# Allegro board WeChat_ZM_PART_20200601.brd (continued)
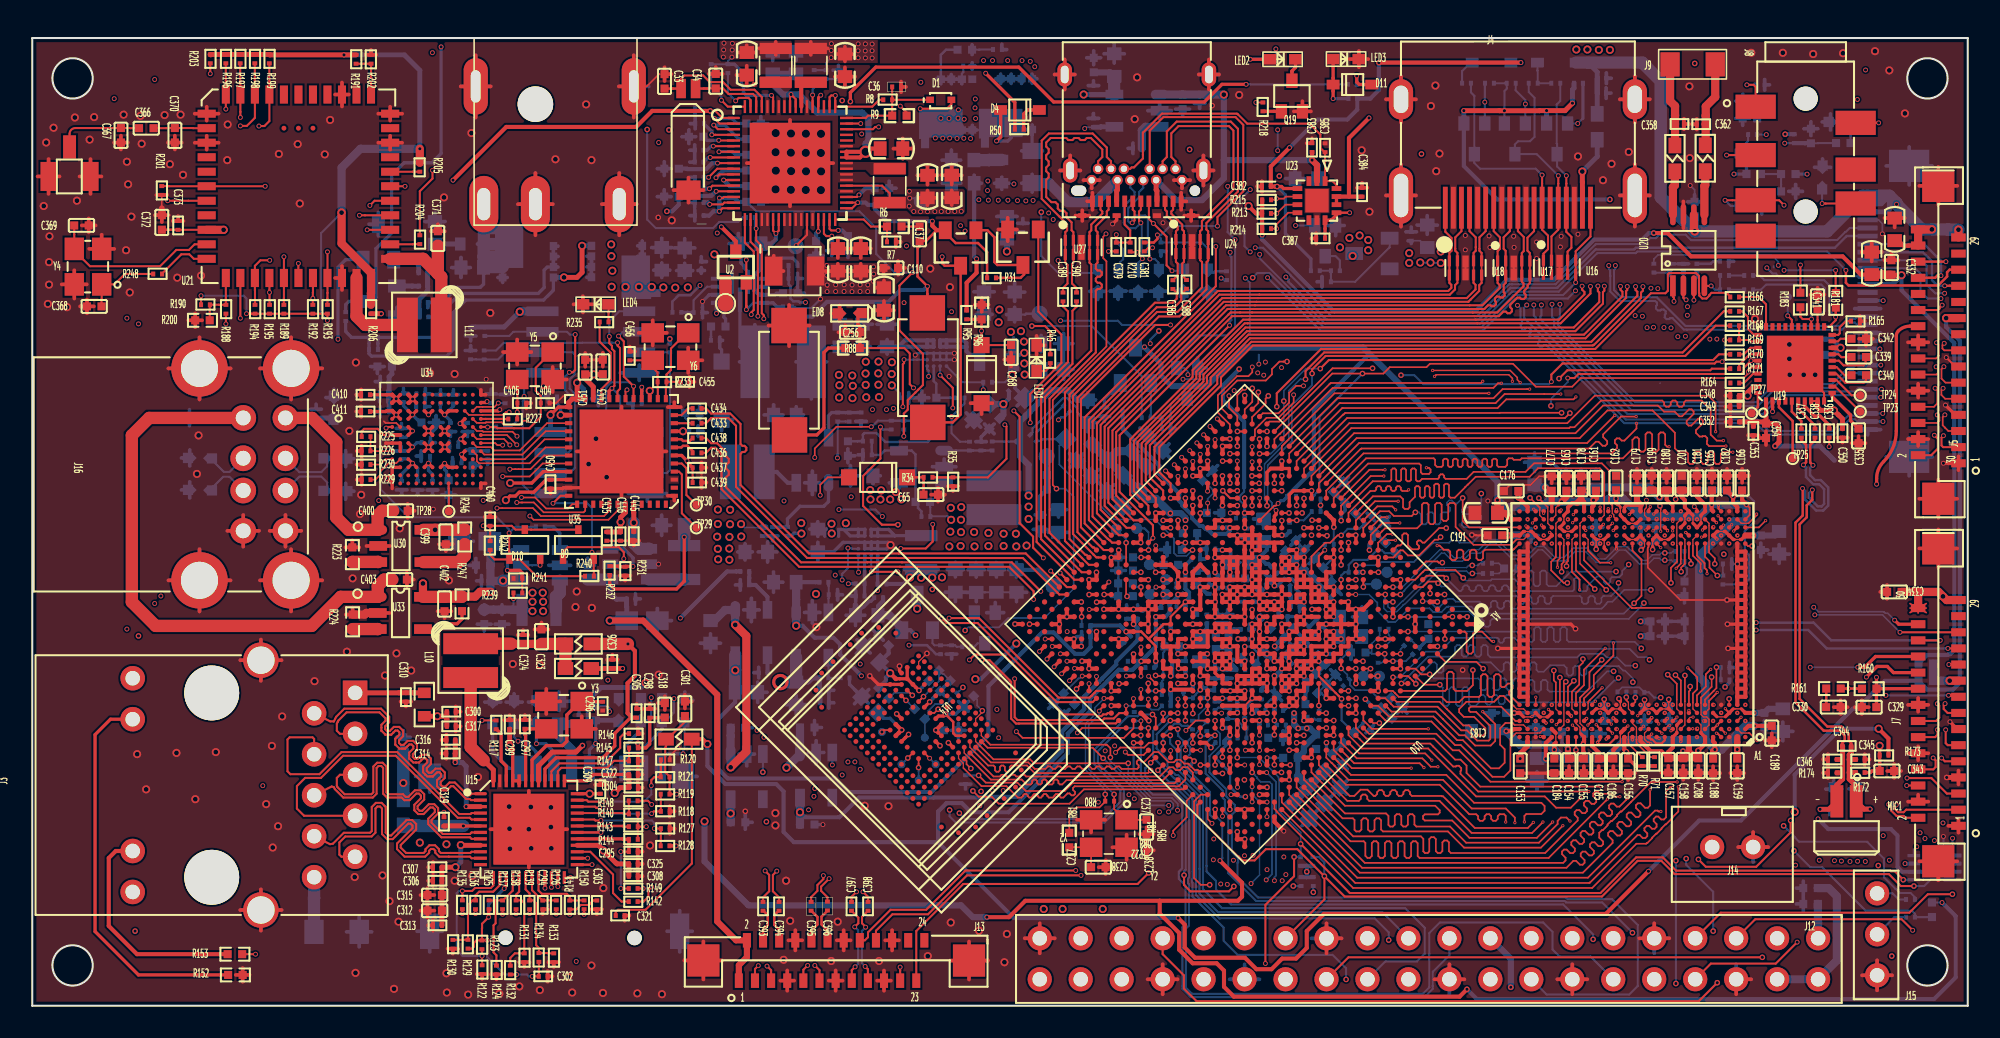
[diagram p0: board, top side]
## Routing (per net, layer and track width the routed paths; a pad name or vN(x,y) marks a point on that pad's centre or on a via; arc(x,y) is an arc through that point) (continued)
EDP_CABC_EN2: length 102.7
  TOP w0.102: U10.P24 v2(72.41,18.6)
  SIG1 w0.102: v2(72.41,18.6) 72.41,17.47 71.56,16.62 70.92,16.62 70.23,15.92 70.23,13.63 69.42,12.81 69.42,11.71 69.72,11.4 69.72,7.65 70.59,6.79 70.62,6.79 70.63,6.77 71.83,6.77 72.53,6.08 79.85,6.08 80.36,6.58 109.43,6.58 109.48,6.63 109.91,6.63 109.92,6.65 110.11,6.65 110.15,6.69 110.44,6.69 v1(112.7,8.95)
  SIG1 w0.127: v1(117.04,10.72) 117.04,10.92 117.12,11 117.12,42.63 v1(118.34,43.85)
  SIG2 w0.102: v1(117.04,10.72) 116.15,10.72 115.99,10.56 115.97,10.56 115.15,9.73 113.49,9.73 v1(112.7,8.95)
  BOTTOM w0.127: v1(118.34,43.85) 117.53,43.85 117.07,44.3 117.07,45.4 116.74,45.72 J6.21
EFUSE_VQPS_EN_H: length 54.1
  TOP w0.102: v1(74.2,37.82) 74.2,37.08 74.71,36.57 U10.AK3
  SIG1 w0.102: v1(52.1,36.96) 51.94,36.81 49.45,36.81 49.18,36.53 49.18,26.7 49.6,26.27 49.6,15.13 49.61,15.13 v1(49.61,14.93)
  SIG2 w0.102: v1(52.1,36.96) 52.51,36.96 55.11,39.56 58.54,39.56 58.65,39.45 59.12,38.98 59.18,38.93 59.75,38.36 61.48,38.36 64.64,41.52 70.5,41.52 v1(74.2,37.82)
  BOTTOM w0.127: v1(49.61,14.93) 49.61,15.7 U12.3
EMMC_CLK: length 6
  TOP w0.102: U34.D1 30.53,33.89 31.77,35.12 U35.29
EMMC_CLKO: length 3.4
  BOTTOM w0.102: R83.2 56.67,18.7 56.27,18.7 56.26,18.71 55.98,18.71 55.55,18.28 55.55,17.98 R115.1 55.34,16.92 55.34,16.92 TP21.1
EMMC_CMD: length 23.5
  TOP w0.102: U10.J31 71.36,13.42 65.2,13.42 64.31,12.53 59.92,12.53 59.49,12.96 58.68,12.96 v2(58.32,13.32) ; U14.W5 54.41,19.41 54.41,19.41 v2(54.57,19.25)
  SIG1 w0.102: v2(58.32,13.32) 58.32,13.57 54.57,17.32 v2(54.57,19.25)
  BOTTOM w0.102: R114.2 53.45,19.41 54.41,19.41 v2(54.57,19.25)
EMMC_CMD_SPR: length 6.9
  TOP w0.102: U35.30 31.82,34.62 30.83,33.63 27.7,33.63 27.57,33.76 27.57,34.14 U34.E2
EMMC_D0: length 17
  TOP w0.102: U10.J28 v2(72.43,14.93) ; v2(66.4,15.35) 65.75,16 59.23,16 58.99,16.24 58.98,16.24 U14.H3
  SIG1 w0.102: v2(72.43,14.93) 72.43,14.7 70.46,12.73 v1(70.46,12.42)
  BOTTOM w0.102: v2(66.4,15.35) 69.32,12.42 v1(70.46,12.42)
EMMC_D1: length 17.1
  TOP w0.102: U14.H4 58.63,15.89 59.44,15.08 61.76,15.08 62.15,14.69 62.81,14.69 62.97,14.84 63.12,14.84 63.27,14.69 63.42,14.69 63.58,14.84 63.73,14.84 63.88,14.69 64.03,14.69 64.19,14.84 64.34,14.84 64.49,14.69 64.64,14.69 64.8,14.84 64.95,14.84 65.1,14.69 65.25,14.69 65.4,14.84 65.56,14.84 65.71,14.69 65.86,14.69 66.01,14.84 66.17,14.84 66.32,14.69 66.47,14.69 66.62,14.84 66.78,14.84 66.93,14.69 67.08,14.69 67.23,14.84 67.39,14.84 67.54,14.69 68.5,14.69 68.59,14.78 68.59,14.9 68.48,15.02 68.48,15.14 68.57,15.23 68.69,15.23 68.81,15.12 68.94,15.12 69.55,15.73 69.82,15.73 70.46,15.1 70.78,15.1 70.94,15.25 71.18,15.25 71.41,15.02 71.65,15.02 71.69,14.98 71.7,14.98 72.07,14.62 72.26,14.62 U10.J29
EMMC_D2: length 15.7
  TOP w0.102: U14.H5 58.29,15.53 59.6,14.21 59.99,14.21 60.09,14.32 60.3,14.32 60.4,14.21 60.6,14.21 60.7,14.32 60.91,14.32 61.01,14.21 61.21,14.21 61.31,14.32 61.51,14.32 61.62,14.21 69.91,14.21 70.48,14.78 70.73,14.78 70.91,14.61 71.17,14.61 71.35,14.79 71.63,14.79 71.96,14.46 U10.J30
EMMC_D3: length 21.3
  TOP w0.076: U14.J2 58.84,16.75 59.15,16.44
  TOP w0.102: v2(66.84,15.39) 66.84,15.97 66.62,16.19 66.56,16.19 66.55,16.19 59.4,16.19 59.15,16.44 ; U10.J25 v2(74.25,15.84)
  SIG1 w0.102: v2(74.25,15.84) 73.7,15.84 72.92,15.07 72.92,14.49 v1(70.45,12.02)
  BOTTOM w0.102: v1(70.45,12.02) 70.59,12.16 70.74,12.3 70.74,12.53 70.57,12.7 69.32,12.7 66.84,15.17 v2(66.84,15.39)
EMMC_D4: length 20.2
  TOP w0.076: 58.77,16.11 58.49,16.38 U14.J3
  TOP w0.102: U10.J26 73.79,15.84 v2(73.79,15.41) ; v2(67.95,15.03) 62.11,15.03 61.87,15.28 59.6,15.28 59.31,15.56 58.77,16.11
  SIG1 w0.102: v2(73.79,15.41) 73.79,14.89 71.16,12.26 71.15,12.26 v1(71,12.12)
  BOTTOM w0.102: v2(67.95,15.03) 67.95,14.33 69.4,12.89 70.65,12.89 70.66,12.88 70.66,12.88 71.03,12.52 71.03,12.34 71,12.32 v1(71,12.12)
EMMC_D5: length 19.2
  TOP w0.076: U14.J4 58.14,16.02 58.44,15.72
  TOP w0.102: 58.44,15.72 59.26,14.89 59.6,14.89 59.69,14.81 59.69,14.6 59.78,14.51 59.91,14.51 59.99,14.6 59.99,14.81 60.08,14.89 60.21,14.89 60.3,14.81 60.3,14.6 60.39,14.51 60.52,14.51 60.6,14.6 60.6,14.81 60.69,14.89 61.68,14.89 62.15,14.43 69.18,14.43 v2(69.34,14.58) ; v2(73.33,14.93) 73.33,15.17 73.33,15.17 U10.J27
  SIG2 w0.102: v2(69.34,14.58) 69.67,14.25 70.09,14.25 70.18,14.17 70.18,14.09 70.27,14 70.4,14 70.49,14.09 70.49,14.17 70.58,14.25 70.7,14.25 70.79,14.17 70.79,14.09 70.88,14 71.01,14 71.1,14.09 71.1,14.17 71.19,14.25 71.31,14.25 71.4,14.17 71.4,14.09 71.49,14 71.62,14 71.71,14.09 71.71,14.17 71.8,14.25 72.66,14.25 v2(73.33,14.93)
EMMC_D6: length 15.5
  TOP w0.076: U14.J5 57.78,15.67 58.08,15.37
  TOP w0.102: 58.08,15.37 59.43,14.02 61.34,14.02 61.65,13.72 61.91,13.72 61.99,13.81 61.99,13.93 62.08,14.02 62.21,14.02 62.3,13.93 62.3,13.81 62.39,13.72 62.51,13.72 62.6,13.81 62.6,13.93 62.69,14.02 62.82,14.02 62.91,13.93 62.91,13.81 63,13.72 63.23,13.72 63.32,13.81 63.32,13.93 63.4,14.02 63.53,14.02 63.62,13.93 63.62,13.81 63.71,13.72 63.86,13.72 64.12,13.99 70.1,13.99 U10.L31
EMMC_D7: length 17.9
  TOP w0.076: 57.73,14.74 57.73,15.03 57.43,15.33 57.43,15.68
  TOP w0.102: U10.K30 71.5,14.02 71.34,13.86 71.34,13.86 71.08,13.61 64.63,13.61 64.53,13.51 64.53,13.38 64.65,13.26 64.65,13.13 64.56,13.04 64.43,13.04 64.31,13.16 64.19,13.16 63.93,12.91 63.77,12.91 63.68,13 63.68,13.04 63.59,13.12 63.47,13.12 63.38,13.04 63.38,13 63.29,12.91 63.03,12.91 62.94,13 62.94,13.04 62.85,13.12 62.73,13.12 62.64,13.04 62.64,13 62.55,12.91 62.42,12.91 62.33,13 62.33,13.04 62.24,13.12 62.12,13.12 62.03,13.04 62.03,13 61.94,12.91 61.81,12.91 61.72,13 61.72,13.04 61.63,13.12 61.51,13.12 61.42,13.04 61.42,13 61.33,12.91 61.11,12.91 60.4,13.62 58.85,13.62 57.73,14.74
EMMC_DAT0: length 6.1
  TOP w0.102: U35.28 31.83,35.62 30.39,34.17 28.03,34.17 U34.E1
EMMC_DAT1: length 6.8
  TOP w0.102: U35.27 31.92,36.12 30.23,34.43 28.64,34.43 28.44,34.63 27.57,34.63 U34.F2
EMMC_DAT2: length 7.8
  TOP w0.102: v1(29.17,32.82) 30.84,32.82 31.65,33.62 U35.32 ; U34.F1 28.71,34.89 28.84,34.76 v1(29.16,34.76)
  SIG1 w0.102: v1(29.17,32.82) 29.17,33.14 29.16,33.15 v1(29.16,34.76)
EMMC_DAT3: length 8.1
  TOP w0.102: v1(29.61,34.77) 29.24,35.14 27.56,35.14 U34.G2 ; v1(29.61,33.27) 29.94,33.27 29.94,33.27 30.16,33.27 30.89,33.27 31.74,34.12 U35.31
  SIG1 w0.102: v1(29.61,33.27) 29.61,34.44 29.61,34.44 v1(29.61,34.77)
EMMC_DAT4: length 11
  TOP w0.102: U34.G1 29.43,35.39 v1(30.04,34.78) ; v1(30.04,31.2) 30.37,31.2 30.37,31.2 31.09,31.2 31.71,30.59 34.18,30.59 34.28,30.69 U35.38
  SIG1 w0.102: v1(30.04,31.2) 30.04,31.55 v1(30.04,34.78)
EMMC_DAT5: length 10.7
  TOP w0.102: U34.H2 27.56,35.64 27.91,35.64 27.96,35.59 29.78,35.59 v1(30.05,35.31) ; v1(30.33,31.51) 31.18,31.51 31.86,30.83 33.22,30.83 33.48,31.09 U35.37
  SIG1 w0.102: v1(30.05,35.31) 30.33,35.03 30.33,31.84 30.33,31.84 v1(30.33,31.51)
EMMC_DAT6: length 15.9
  TOP w0.102: U35.42 36.28,30.69 35.72,30.13 31.08,30.13 v1(30.85,30.36) ; U34.J2 27.56,36.14 27.71,36.14 27.71,36.14 28.1,36.14 28.14,36.17 29.1,36.17 29.26,36.01 29.95,36.01 29.95,36.01 30.2,36.01 30.47,36.28 v1(30.8,36.28)
  SIG1 w0.102: v1(30.85,30.36) 30.85,30.8 30.8,30.85 v1(30.8,36.28)
EMMC_DAT7: length 17
  TOP w0.102: U35.41 35.78,30.69 35.45,30.36 31.53,30.36 31.04,30.85 29.14,30.85 v1(28.81,30.85) ; v1(29.57,36.81) 29.36,36.81 29.19,36.63 27.92,36.63 27.07,36.63 U34.K3
  SIG1 w0.102: v1(29.57,36.81) 29.36,36.81 28.81,36.26 v1(28.81,30.85)
EMMC_STRB: length 20.5
  TOP w0.102: U10.K31 70.83,13.8 64.49,13.8 64.01,13.31 61.6,13.31 61.08,13.83 59.12,13.83 v2(58.67,14.28) ; U14.R5 55.93,18.15 v2(56.16,18.38)
  SIG1 w0.102: v2(56.16,18.38) 56.46,18.38 56.52,18.45 57.6,18.45 58.67,17.38 58.67,14.53 v2(58.67,14.28)
  BOTTOM w0.127: R85.2 58.07,14.3 58.09,14.28 v2(58.67,14.28)
ENSWREG: length 6.1
  TOP w0.127: U15.38 32.59,14.54 32.8,14.75 35.64,14.75 36.07,15.18 R147.1 37,15.52 37,15.53 R145.2
GL_SPI_CLK: length 15.6
  BOTTOM w0.127: R244.1 27.52,40.08 27.52,40.07 R243.2 28.88,40.07 29.32,40.52 U38.6 33.5,40.52 33.63,40.39 33.63,39.15 33.32,38.84 33.32,38.26 33.63,37.95 33.63,33.33 33.33,33.03 U37.6
GL_SPI_CSN: length 11.6
  TOP w0.127: v1(35.78,41.49) 35.78,41.08 35.94,40.92 35.94,40.73 36.09,40.58 36.09,38.44 36.09,38.44 v1(35.94,38.28)
  TOP w0.203: v1(35.94,38.28) 35.76,38.11 35.76,37.67 U35.20
  BOTTOM w0.127: v1(35.78,41.49) 35.78,42.44 36.39,43.06 U38.1 ; U37.1 36.77,35.57 36.45,35.9 36.45,37.78 v1(35.94,38.28)
GL_SPI_MISO: length 13.3
  TOP w0.127: v1(36.35,41.52) 36.68,41.19 36.68,39.01 v1(37.28,38.41) 37.28,37.65 U35.17
  BOTTOM w0.127: v1(36.35,41.52) 36.61,41.78 37.63,41.78 U38.2 ; U37.2 37.05,34.3 35.59,35.77 35.59,38.34 35.9,38.65 37.04,38.65 v1(37.28,38.41)
GL_SPI_MOSI: length 17.1
  TOP w0.127: U35.18 36.78,38.1 v1(36.87,38.19)
  SIG2 w0.127: v1(36.87,38.19) 36.23,37.54 30.74,37.54 v1(30.49,37.78)
  BOTTOM w0.127: U38.5 30.93,39.25 30.49,38.81 v1(30.49,37.78) 30.49,37.57 30.4,37.48 30.4,32.3 30.95,31.76 U37.5
GL_SSRXM: length 31.2
  TOP w0.127: C436.2 41.77,34.28 42.09,34.6 42.35,34.6 42.74,34.21 42.74,32.03 47.55,27.21 51.88,27.21 51.89,27.22 53.8,27.22 53.81,27.21 60.57,27.21 62.09,25.7 v1(62.09,25.19) ; v1(63.73,26.83) 63.98,26.58 63.98,26.58 U10.AL25
  SIG1 w0.127: v1(63.73,26.83) 63.29,27.27 62,27.27 61.52,26.79 61.52,26.03 62.09,25.46 v1(62.09,25.19)
GL_SSRXM0: length 1.1
  TOP w0.127: C433.1 40.1,36.12 40.1,36.12 U35.10
GL_SSRXP: length 31.3
  TOP w0.127: v1(63.14,26.95) 64.14,25.96 U10.AK25 ; C438.2 41.77,35.2 42.09,34.88 42.46,34.88 43.02,34.32 43.02,34.07 43.18,33.9 43.18,33.69 43.02,33.52 43.02,33.31 43.18,33.14 43.18,32.93 43.02,32.76 43.02,32.14 47.67,27.49 51.77,27.49 51.77,27.5 53.92,27.5 53.92,27.49 60.73,27.49 v1(62.53,25.7)
  SIG1 w0.127: v1(62.53,25.7) 62.24,25.7 61.79,26.15 61.79,26.67 62.08,26.96 62.93,26.96 62.93,26.95 v1(63.14,26.95)
GL_SSRXP0: length 1.3
  TOP w0.127: C434.1 40.66,37.04 40.25,36.62 U35.11
GL_SSTXM: length 29.5
  TOP w0.127: U10.AK26 63.68,25.5 63.55,25.62 63.55,25.63 61.42,27.76 58.08,27.76 58.08,27.76 54.1,27.76 54.09,27.76 53.6,27.76 53.59,27.76 48.04,27.76 43.63,32.17 43.63,35.96 43.16,36.44 42.09,36.44 41.77,36.12 C433.2
GL_SSTXM0: length 1.4
  TOP w0.152: C436.1 40.94,34.39 40.62,34.72 40.34,34.72 40.25,34.62 U35.7
GL_SSTXP: length 29.5
  TOP w0.127: C434.2 41.77,37.04 42.09,36.72 43.27,36.72 43.91,36.07 43.91,34.83 44.02,34.71 44.16,34.71 44.27,34.6 44.27,34.45 44.16,34.33 44.02,34.33 43.91,34.22 43.91,32.29 48.15,28.04 53.71,28.04 53.72,28.04 53.98,28.04 53.99,28.04 61.6,28.04 U10.AL26
GL_SSTXP0: length 1.2
  TOP w0.152: U35.8 40.25,35.12 40.34,35.02 40.77,35.02 C438.1
GL_X1: length 5.6
  TOP w0.127: C455.1 39.89,38.68 39.88,38.68 R233.2 ; U35.13 39.28,38.3 39.32,38.34 R233.2 ; Y6.1 40.57,41.72 39.6,40.75 39.6,39.41 39.32,39.14 R233.2
GL_X2: length 3.9
  TOP w0.127: C456.1 37.39,40.02 37.39,40.02 Y6.3 38.47,39.57 38.77,39.27 38.77,39.03 38.77,39.02 R233.1 38.77,38.34 38.78,38.33 U35.14
GPIO0_B5/LED1_OUT: length 62.6
  TOP w0.102: U10.U30 68.28,17.2 67.69,16.61 61.4,16.61 v1(61.01,17) ; R218.1 v1(75.86,56.01)
  SIG1 w0.102: v1(63.02,49.15) 63.02,48.52 58.47,43.97 58.47,31.93 57.99,31.45 57.99,26.98 60.58,24.39 60.58,23.9 60.58,22.1 61.24,21.44 61.24,17.23 v1(61.01,17)
  SIG2 w0.102: 75.62,55.76 v1(75.86,56.01)
  SIG2 w0.127: v1(63.02,49.15) 63.93,50.07 74.45,50.07 74.92,50.54 74.92,52.43 75.62,53.13 75.62,55.76
GPIO1_A0: length 31.4
  TOP w0.102: U10.R25 v2(71.5,18.6)
  TOP w0.127: J13.23 54.81,4.63 57.72,7.55 68.53,7.55 v2(69.22,8.23)
  SIG1 w0.102: v2(71.5,18.6) 71.05,18.6 70.15,17.7 70.15,17.06 68.77,15.68 68.77,13.56 69.04,13.29 69.04,11.55 69.22,11.37 v2(69.22,8.23)
GPIO1_A1: length 98.4
  TOP w0.102: U10.T31 v2(68.73,16.76)
  TOP w0.127: v2(74.5,7.4) 74.19,7.09 71.81,7.09 71.41,7.49 v2(71.41,8.1)
  SIG1 w0.102: v2(74.5,7.4) 74.66,7.24 77.41,7.24 78.84,8.67 80.77,8.67 81.7,7.74 108.78,7.74 110.03,9 110.03,20.8 109.96,20.87 109.96,21.1 110.03,21.17 110.03,33.36 110.09,33.42 110.09,33.65 110.06,33.68 110.06,35.05 108.25,36.86 v1(108.25,45.9)
  BOTTOM w0.102: v1(108.25,45.9) 108.25,46.13 107.84,46.55 100.79,46.55 100.54,46.31 R182.1
  BOTTOM w0.127: v2(68.73,16.76) 68.73,14.2 69.49,13.44 70.7,13.44 71.51,12.63 71.51,8.43 71.41,8.33 v2(71.41,8.1)
GPIO1_A3: length 39.8
  TOP w0.102: U10.R27 v2(71.02,18.14)
  SIG1 w0.127: v2(84.1,4.07) 84.1,3.5 84.58,3.02 94.32,3.02 J12.13
  BOTTOM w0.127: v2(71.02,18.14) 70.58,18.14 69.49,17.06 69.49,15.4 70.8,14.09 70.97,14.09 72.16,12.9 72.16,8.4 72.16,7.79 72.15,7.78 72.15,6.87 72.45,6.57 73.6,5.42 83.24,5.42 84.1,4.55 v2(84.1,4.07)
GPIO1_A7/SPI1_RXD/UART4_RX: length 26.9
  TOP w0.102: U10.P27 v2(70.56,17.68)
  BOTTOM w0.127: J12.21 83.71,5.8 73.53,5.8 72.67,6.66 72.36,6.96 72.36,7.69 72.37,7.7 72.37,8.49 72.37,12.99 71.05,14.31 70.89,14.31 70.38,14.82 70.38,15.28 69.71,15.95 69.71,16.83 v2(70.56,17.68)
GPIO1_B0/SPI1_TXD/UART4_TX: length 37.6
  TOP w0.127: U10.R31 v2(68.28,16.3)
  BOTTOM w0.127: J12.19 87.86,3.13 86.83,2.1 86.83,1.05 86.31,0.53 71.82,0.53 71.31,1.03 71.31,1.21 71.31,4.87 71.5,5.06 71.5,7.45 71.09,7.86 71.09,8.31 71.29,8.52 71.29,12.54 70.74,13.09 69.48,13.09 68.28,14.29 v2(68.28,16.3)
GPIO1_B1/SPI1_CLK: length 51.8
  TOP w0.127: v2(71.02,17.15) 70.94,17.22 U10.P28
  SIG1 w0.127: J12.23 84.17,2.8 96.09,2.8 96.77,3.49 v2(96.77,4.12)
  BOTTOM w0.127: v2(71.02,17.15) 71.02,16.91 71.05,16.89 71.05,16.74 71.35,16.43 71.35,16.17 71.2,16.02 71.2,14.77 72.81,13.17 72.81,8.67 72.81,8.33 72.87,8.26 73.4,7.74 73.4,7.2 74.32,6.28 94.92,6.28 96.77,4.42 v2(96.77,4.12)
GPIO1_B2/SPI1_CSN0: length 31.4
  TOP w0.102: U10.P29 v2(70.56,16.76)
  BOTTOM w0.127: J12.24 83.89,2.75 85.85,2.75 86.33,3.23 86.33,4.83 85.12,6.05 73.76,6.05 72.58,7.23 72.58,7.6 72.59,7.61 72.59,8.58 72.59,13.08 72.54,13.12 70.98,14.68 70.98,15.82 70.56,16.25 v2(70.56,16.76)
GPIO1_C2: length 49.1
  TOP w0.102: U10.N31 69.51,15.23 69.51,15.23 v2(69.34,15.07)
  BOTTOM w0.127: v2(69.34,15.07) 69.01,14.74 69.01,14.73 69,14.72 69,14.46 69.01,14.45 69.01,14.22 69.56,13.67 70.39,13.67 70.41,13.66 70.79,13.66 71.73,12.72 71.73,8.23 71.73,7.97 71.65,7.89 71.65,7.6 71.72,7.54 71.72,4.97 71.53,4.78 71.53,1.12 71.91,0.74 86.22,0.74 86.61,1.14 86.61,3.21 86.61,4.5 87.27,5.16 93.68,5.16 94.26,4.58 94.26,3.49 94.69,3.05 96.61,3.05 J12.12
GPIO1_C6: length 48.5
  TOP w0.102: U10.L25 v2(73.33,17.68)
  BOTTOM w0.102: 73.33,17.2 73.33,17.18 73.64,16.88 73.64,16.14 72.99,15.48 72.99,15.47
  BOTTOM w0.127: 72.99,15.47 72.99,14.47 74.03,13.43 74.03,12.97 74.56,12.43 74.56,12.04 74.37,11.85 74.37,9.53 74.76,9.14 74.76,8.9 74.73,8.87 74.73,7.98 76,6.71 95.09,6.71 95.18,6.62 97.42,6.62 97.43,6.61 97.94,6.61 99.54,5.01 99.54,1.22 99.01,0.69 93.89,0.69 J12.16 ; v2(73.33,17.68) 73.33,17.2
GPIO1_C7: length 32.2
  TOP w0.102: U10.M31 69.97,14.78 69.96,14.78 69.95,14.76 v2(69.79,14.6)
  SIG1 w0.127: J12.18 89.25,0.49 82.04,0.49 81.46,1.07 v2(81.46,1.63)
  BOTTOM w0.127: v2(69.79,14.6) 69.89,14.5 69.89,14.48 70.5,13.87 70.88,13.87 71.94,12.81 71.94,8.32 71.94,7.88 71.91,7.84 71.91,7.65 71.93,7.63 71.93,6.78 73.86,4.85 73.86,4.02 74.73,3.15 80.62,3.15 81.46,2.32 v2(81.46,1.63)
GPIO1_D0: length 52.1
  TOP w0.102: U10.L26 v2(73.33,16.76)
  SIG1 w0.127: v2(99.21,4.53) 99.21,3.59 98.17,2.55 86.23,2.55 J12.22
  BOTTOM w0.127: v2(99.21,4.53) 97.33,6.41 95.09,6.41 95.01,6.49 75.88,6.49 74.16,8.22 74.16,11.79 74.07,11.88 74.07,11.91 73.94,12.04 73.94,12.76 73.82,12.88 73.82,13.34 72.75,14.41 72.75,16.26 73.08,16.6 73.16,16.6 v2(73.33,16.76)
GPIO2_B3/CIF_CLKO: length 60.9
  TOP w0.102: U10.H31 71.58,12.71 71.58,11.69 70.74,10.85 v1(70.74,10.56) ; R161.1 v1(112.6,19.66)
  TOP w0.152: R160.1 113.11,19.66 113.11,19.66 R161.1
  SIG1 w0.102: v1(70.74,10.56) 70.74,7.63 71.02,7.35 72.07,7.35 72.77,6.65 79.62,6.65 80.12,7.16 109.2,7.16 109.29,7.24 109.5,7.24 112.6,10.34 v1(112.6,19.66)
GPIO2_D4: length 78.5
  TOP w0.127: v2(74.71,31.93) 74.4,31.93 74.4,31.93 U10.AF8
  TOP w0.203: 74.71,31.93 v2(74.71,31.93)
  SIG2 w0.127: J12.15 93.96,5.2 101.33,5.2 101.97,5.2 104.22,7.45 105.32,8.55 105.32,10.94 108.09,13.71 108.34,13.96 108.34,29.11 108.34,30.07 106.2,32.21 106.07,32.34 103.48,32.34 96.12,39.7 84.48,39.7 84.35,39.58 83.93,39.16 83.09,39.16 78.22,34.29 77.33,34.29 76.67,33.62 75.94,33.62 75.75,33.44 75.75,33.44 75.18,32.87 75.18,32.4 v2(74.71,31.93)
GPIO4_C0/I2C3_SDA: length 74.6
  TOP w0.102: U10.AG6 v1(74.71,33.78)
  SIG2 w0.127: v1(74.71,33.78) 75.11,34.17 75.6,34.17 75.85,33.91 76.65,33.91 82.87,40.13 95.12,40.13 96.3,40.13 103.66,32.77 106.25,32.77 106.63,32.39 108.78,30.25 108.78,29.89 108.78,28.94 108.78,13.78 108.27,13.28 105.75,10.76 105.75,8.37 104.65,7.27 104.55,7.17 104.55,3.76 103.51,2.72 102.46,2.72 101.38,1.64 J12.10
GPIO4_C1/I2C3_SCL: length 80.3
  TOP w0.102: U10.AL2 74.71,37.86 v2(75.16,38.31)
  TOP w0.127: v1(109.42,3.94) 108.09,2.61 104.07,2.61 J12.8
  SIG2 w0.127: v2(75.16,38.31) 75.51,38.66 75.72,38.66 75.72,38.67 76.57,38.67 76.89,38.98 77.28,38.98 80.19,41.89 80.31,42.02 80.57,42.27 94.23,42.27 97.45,42.27 104.81,34.9 105.37,34.9 107.14,34.9 108.77,33.28 109.14,32.9 110.57,32.9 111.09,32.38 111.09,27.35 111.49,26.94 111.49,19.88 110.31,18.7 110.31,11.69 109.55,10.93 109.55,9.48 108.99,8.92 108.99,5.29 109.42,4.86 v1(109.42,3.94)
GPIO4_C5/SPDIF_TX: length 100.1
  TOP w0.102: v2(76.02,38.04) 76.02,37.37 U10.AK1
  TOP w0.127: J12.26 81.6,3 v2(107.26,3)
  SIG2 w0.127: v2(76.02,38.04) 76.19,38.21 76.72,38.21 77.07,38.55 77.46,38.55 80.62,41.71 80.74,41.84 94.41,41.84 97,41.84 104.37,34.47 105.55,34.47 105.55,34.47 106.96,34.47 108.33,33.1 108.96,32.47 110.39,32.47 110.66,32.2 110.66,27.17 111.06,26.76 111.06,20.06 109.88,18.88 109.88,11.87 108.85,10.84 108.85,9.08 107.1,7.33 107.1,3.4 107.26,3.24 v2(107.26,3)
GPIO4_C6/PWM1: length 110.8
  TOP w0.102: U10.AL3 73.76,37.02 73.76,37.82 74.71,38.77 76.48,38.77 76.86,39.15 76.86,39.48 77.32,39.94 77.57,39.94 77.57,39.94 v2(77.79,39.94)
  TOP w0.127: J12.7 104.69,5.77 116.38,5.77 117.53,6.91 v2(119.05,6.91)
  SIG2 w0.127: v2(119.05,6.91) 119.48,7.35 119.48,47.27 118.11,48.65 115.03,48.65 114.12,47.73 105.03,47.73 104.17,48.6 100.48,48.6 99.67,47.78 96.82,47.78 92.89,43.85 91.67,43.85 90.31,42.48 80.48,42.48 80.29,42.3 80.15,42.3 v2(77.79,39.94)
GPU_EN_H: length 6.5
  BOTTOM w0.127: Q9.1 84.16,47.03 82.02,44.89 C88.1 80.51,45.36 80.52,45.36 R53.1 R52.2
GPU_SLEEP: length 40
  TOP w0.102: U10.M25 72.66,17.68 72.66,17.68 72.14,17.68 v1(71.53,17.07)
  SIG1 w0.127: v1(59.92,16.62) 60.16,16.86 60.16,21.7 59.99,21.86 59.99,24.14 55.42,28.71 55.42,38.87 v1(55.58,39.02)
  SIG2 w0.102: v1(59.92,16.62) 60.12,16.62 60.24,16.49 64.52,16.49 66.83,16.49 66.91,16.58 67.22,16.58 69.06,18.42 69.52,18.42 69.8,18.14 69.8,17.95 70.37,17.38 70.77,17.38 70.87,17.48 71.12,17.48 v1(71.53,17.07)
  BOTTOM w0.127: U8.A1 55.48,39.47 55.58,39.38 v1(55.58,39.02)
HDMI_CEC: length 41.6
  TOP w0.127: U10.AD7 v2(75.63,31)
  SIG1 w0.102: v2(75.63,31) 75.63,31.43 75.47,31.6 75.03,32.03 75.03,36.51 76.33,37.81 76.33,37.94 76.35,37.96 v1(76.35,39.1)
  SIG2 w0.127: v1(77.22,53.02) 77.72,52.51 77.72,46.87 77.24,46.38 77.24,39.76 77.17,39.69 77.17,39.56 76.7,39.1 v1(76.35,39.1) ; v1(90.06,56.03) 87.82,56.03 86.21,54.41 77.32,54.41 v1(77.22,54.31)
  BOTTOM w0.127: v1(77.22,54.31) v1(77.22,53.02) ; R156.2 90.07,56.99 90.06,56.97 v1(90.06,56.03) Q16.2
HDMI_TX0N: length 40.3
  TOP w0.127: J4.9 91.61,48.03 91.22,47.64 91.22,46.93 91.35,46.81 U17.9 U17.2 91.35,44.81 91.23,44.69 91.23,44.24 91.29,44.18 91.29,44.02 91.17,43.91 91.02,43.91 90.96,43.97 90.8,43.97 90.69,43.86 90.69,43.7 90.75,43.64 90.75,43.48 90.64,43.37 90.48,43.37 90.42,43.43 90.26,43.43 90.03,43.2 89.22,43.2 74.8,43.2 74.11,43.2 66.72,35.81 66.72,31.2 U10.AL17
HDMI_TX0P: length 40.6
  TOP w0.127: U10.AK17 67.84,29.63 66.49,30.99 66.49,35.9 74.01,43.43 74.7,43.43 89.13,43.43 89.91,43.43 90.98,44.5 90.98,44.68 90.85,44.81 U17.1 U17.10 90.85,46.79 91,46.93 91,47.64 90.61,48.03 J4.7
HDMI_TX1N: length 39.2
  TOP w0.102: U18.6 U18.5
  TOP w0.127: J4.6 90.11,48.03 89.72,47.64 89.72,46.94 89.72,46.81 89.86,46.68 U18.6 ; U10.AL18 66.24,30.76 66.24,36.01 73.87,43.65 74.62,43.65 75.9,43.65 75.9,43.65 89.04,43.65 89.17,43.78 89.71,44.32 89.71,44.67 89.86,44.82 U18.5
HDMI_TX1P: length 40.2
  TOP w0.102: U18.7 U18.4
  TOP w0.127: U10.AK18 67.37,29.17 66.01,30.53 66.01,36.11 73.78,43.87 74.52,43.87 88.94,43.87 89.48,44.42 89.48,44.7 89.36,44.82 U18.4 ; J4.4 89.11,48.03 89.5,47.64 89.5,47.03 89.5,46.81 89.36,46.68 U18.7
HDMI_TX2N: length 38.7
  TOP w0.127: U10.AL19 65.74,30.33 65.74,36.23 73.6,44.09 74.43,44.09 87.89,44.09 88.21,44.41 88.21,44.67 88.36,44.82 U18.2 U18.9 88.36,46.68 88.22,46.81 88.22,46.94 88.22,47.64 88.61,48.03 J4.3
HDMI_TX2P: length 39.7
  TOP w0.127: U10.AK19 66.95,28.71 66.79,28.87 66.77,28.87 66.7,28.95 66.68,28.95 65.51,30.11 65.51,36.32 73.37,44.19 73.37,44.19 73.51,44.32 74.34,44.32 87.79,44.32 87.98,44.51 87.98,44.7 87.86,44.82 U18.1 U18.10 87.86,46.68 88,46.81 88,47.03 88,47.6 87.61,47.99 J4.1
HDMI_TXCN: length 40.8
  TOP w0.127: J4.12 93.11,48.03 92.7,47.62 92.7,46.82 92.85,46.67 U17.6 U17.5 92.85,44.81 92.71,44.68 92.71,44.54 92.5,44.33 92.5,44.18 92.59,44.09 92.59,43.93 92.48,43.82 92.32,43.82 92.24,43.91 92.08,43.91 91.64,43.46 91.64,43.31 91.74,43.21 91.74,43.05 91.62,42.94 91.47,42.94 91.37,43.04 91.21,43.04 90.93,42.76 89.41,42.76 74.98,42.76 74.39,42.76 67.2,35.56 67.2,31.63 U10.AL16
HDMI_TXCP: length 40.9
  TOP w0.102: 92.37,45.28 U17.4
  TOP w0.127: J4.10 92.11,48.03 92.47,47.66 92.47,46.79 92.35,46.67 U17.7 U17.4 92.35,44.9 92.46,44.79 92.46,44.61 90.83,42.99 89.31,42.99 74.89,42.99 74.89,42.99 74.3,42.99 74.16,42.85 66.97,35.66 66.97,31.41 68.29,30.09 U10.AK16
HOST0_DM: length 28.8
  TOP w0.127: U10.AB31 v1(65.52,19.97) ; v1(65.02,8.08) 57.95,8.08 55.54,5.67 53.33,5.67 52.31,4.65 J13.18
  SIG1 w0.127: v1(65.02,8.08) 65.02,8.3 64.98,8.34 64.98,8.51 64.83,8.66 64.83,13.95 64.94,14.06 65.19,14.06 65.3,14.17 65.3,14.33 65.19,14.44 64.94,14.44 64.83,14.55 64.83,14.71 64.94,14.82 65.19,14.82 65.3,14.93 65.3,15.09 65.19,15.2 64.94,15.2 64.83,15.31 64.83,15.89 65.52,16.58 v1(65.52,19.97)
HOST0_DP: length 28.8
  TOP w0.127: J13.16 51.62,4.06 51.82,4.25 51.82,4.55 53.21,5.95 55.42,5.95 57.86,8.39 v1(64.69,8.39) ; U10.AB30 v1(65.98,20.42)
  SIG1 w0.127: v1(64.69,8.39) 64.55,8.53 64.55,16 65.15,16.6 65.15,20.07 65.5,20.42 v1(65.98,20.42)
HOST1_DM: length 63.9
  TOP w0.127: U10.AA31 65.74,18.83 63.51,18.83 58.61,23.73 56.69,23.73 v1(56.39,24.03)
  SIG2 w0.127: J16.A2 16.56,33.09 17.97,33.09 18.57,32.49 18.57,28.76 19.41,27.92 20.66,27.92 20.81,28.07 21.04,28.07 21.19,27.92 21.42,27.92 21.57,28.07 21.8,28.07 21.95,27.92 22.18,27.92 22.33,28.07 22.56,28.07 22.71,27.92 22.94,27.92 23.1,28.07 23.32,28.07 23.48,27.92 32.71,27.92 37.76,22.87 51.85,22.87 53.01,24.03 v1(56.39,24.03)
  BOTTOM w0.127: ED20.1 18.29,33.83 18.29,33.46 17.92,33.09 16.56,33.09 J16.A2
HOST1_DP: length 64
  TOP w0.127: U10.AA30 65.97,19.52 65.85,19.4 65.85,19.39 65.66,19.19 65.65,19.19 65.56,19.11 63.63,19.11 58.7,24.03 v1(56.85,24.03)
  SIG2 w0.127: J16.A3 16.56,32.81 17.86,32.81 18.29,32.38 18.29,28.64 19.29,27.64 32.6,27.64 37.64,22.59 51.96,22.59 53.02,23.65 53.29,23.65 53.37,23.73 56.54,23.73 v1(56.85,24.03)
  BOTTOM w0.127: ED19.1 18.29,32.05 18.29,32.44 17.92,32.81 16.56,32.81 J16.A3
HP_DET_H: length 57.6
  TOP w0.102: U10.AH5 v2(74.26,34.23)
  SIG1 w0.102: v1(74.52,38.14) 74.52,37.75 74,37.23 74,35.8 74.36,35.45 74.38,35.45 74.55,35.27 74.55,35.02 74.29,34.76 74.29,34.49 74.26,34.45 v2(74.26,34.23)
  SIG2 w0.102: v1(74.52,38.14) 75.34,38.96 75.34,40.25 76.01,40.93 76.01,46.02 75.51,46.51 v1(75.51,46.74) ; v1(108.65,53.48) 108.51,53.62 76.71,53.62 75.51,52.43 v1(75.51,50.6)
  BOTTOM w0.127: v1(75.51,46.74) 75.16,47.1 75.16,47.83 74.68,48.32 74.68,49.76 v1(75.51,50.6) ; R180.1 110.72,53.49 110.71,53.48 C359.1 ; R179.2 v1(108.65,53.48)
  BOTTOM w0.254: R179.2 109.89,53.48 109.9,53.48 C359.1
HP_HOOK: length 76.6
  TOP w0.127: v1(65.53,24.57) 65.97,24.57 U10.AG25
  SIG1 w0.127: v1(63.3,48.75) 63.3,48.51 62.81,48.03 62.81,28.81 64.67,26.95 64.67,24.96 65.07,24.57 v1(65.53,24.57)
  SIG2 w0.127: v1(63.3,48.75) 63.3,49.02 64.13,49.85 74.54,49.85 75.13,50.45 75.13,50.63 75.13,52.34 76.81,54.01 v1(107.51,54.01)
  BOTTOM w0.127: v1(107.51,54.01) R178.1 106.93,54.35 106.94,54.37 C356.2 106.94,55.46 106.95,55.47 R176.2
HPOL: length 9.2
  TOP w0.127: U19.23 110.29,42.64 110.31,42.62 v1(110.31,42.58) 109.77,42.58 109.62,42.72 R183.1
  BOTTOM w0.127: R187.1 107.17,44.39 107.49,44.71 110.92,44.71 111.15,44.48 111.15,43.08 111.05,42.98 110.52,42.98 110.3,42.77 110.3,42.59 v1(110.31,42.58)
HPOR: length 9.4
  TOP w0.127: U19.21 111.41,42.1 111.82,42.5 R181.1 111.81,43.28 v1(111.81,42.7)
  BOTTOM w0.127: v1(111.81,42.7) 111.43,43.08 111.43,44.66 111.1,44.99 107.39,44.99 107.1,45.28 R185.1
I2C2_SCL: length 104.9
  TOP w0.127: v1(76.45,2.62) 76.45,6.25 78.04,7.84 78.05,7.84 78.23,8.03 v2(78.23,9.23) ; v2(116,7.81) 115.48,8.34 115.24,8.34 115.2,8.38 101.91,8.38 101.09,9.2 99.44,9.2 97.23,6.99 81.69,6.99 v2(78.64,10.04) ; U10.H25 v2(74.71,15.39)